# Altium PCB PCB1.PcbDoc
Units mm, origin at the board's own origin, x right, y up, seen from the top; angles counter-clockwise.
Board outline 48.39 x 44.83 mm, 2 copper layers (Top Layer, Bottom Layer); 61 components, 43 nets, 229 pads, 170 vias.
Unrouted connection lines stored in the file: 1.
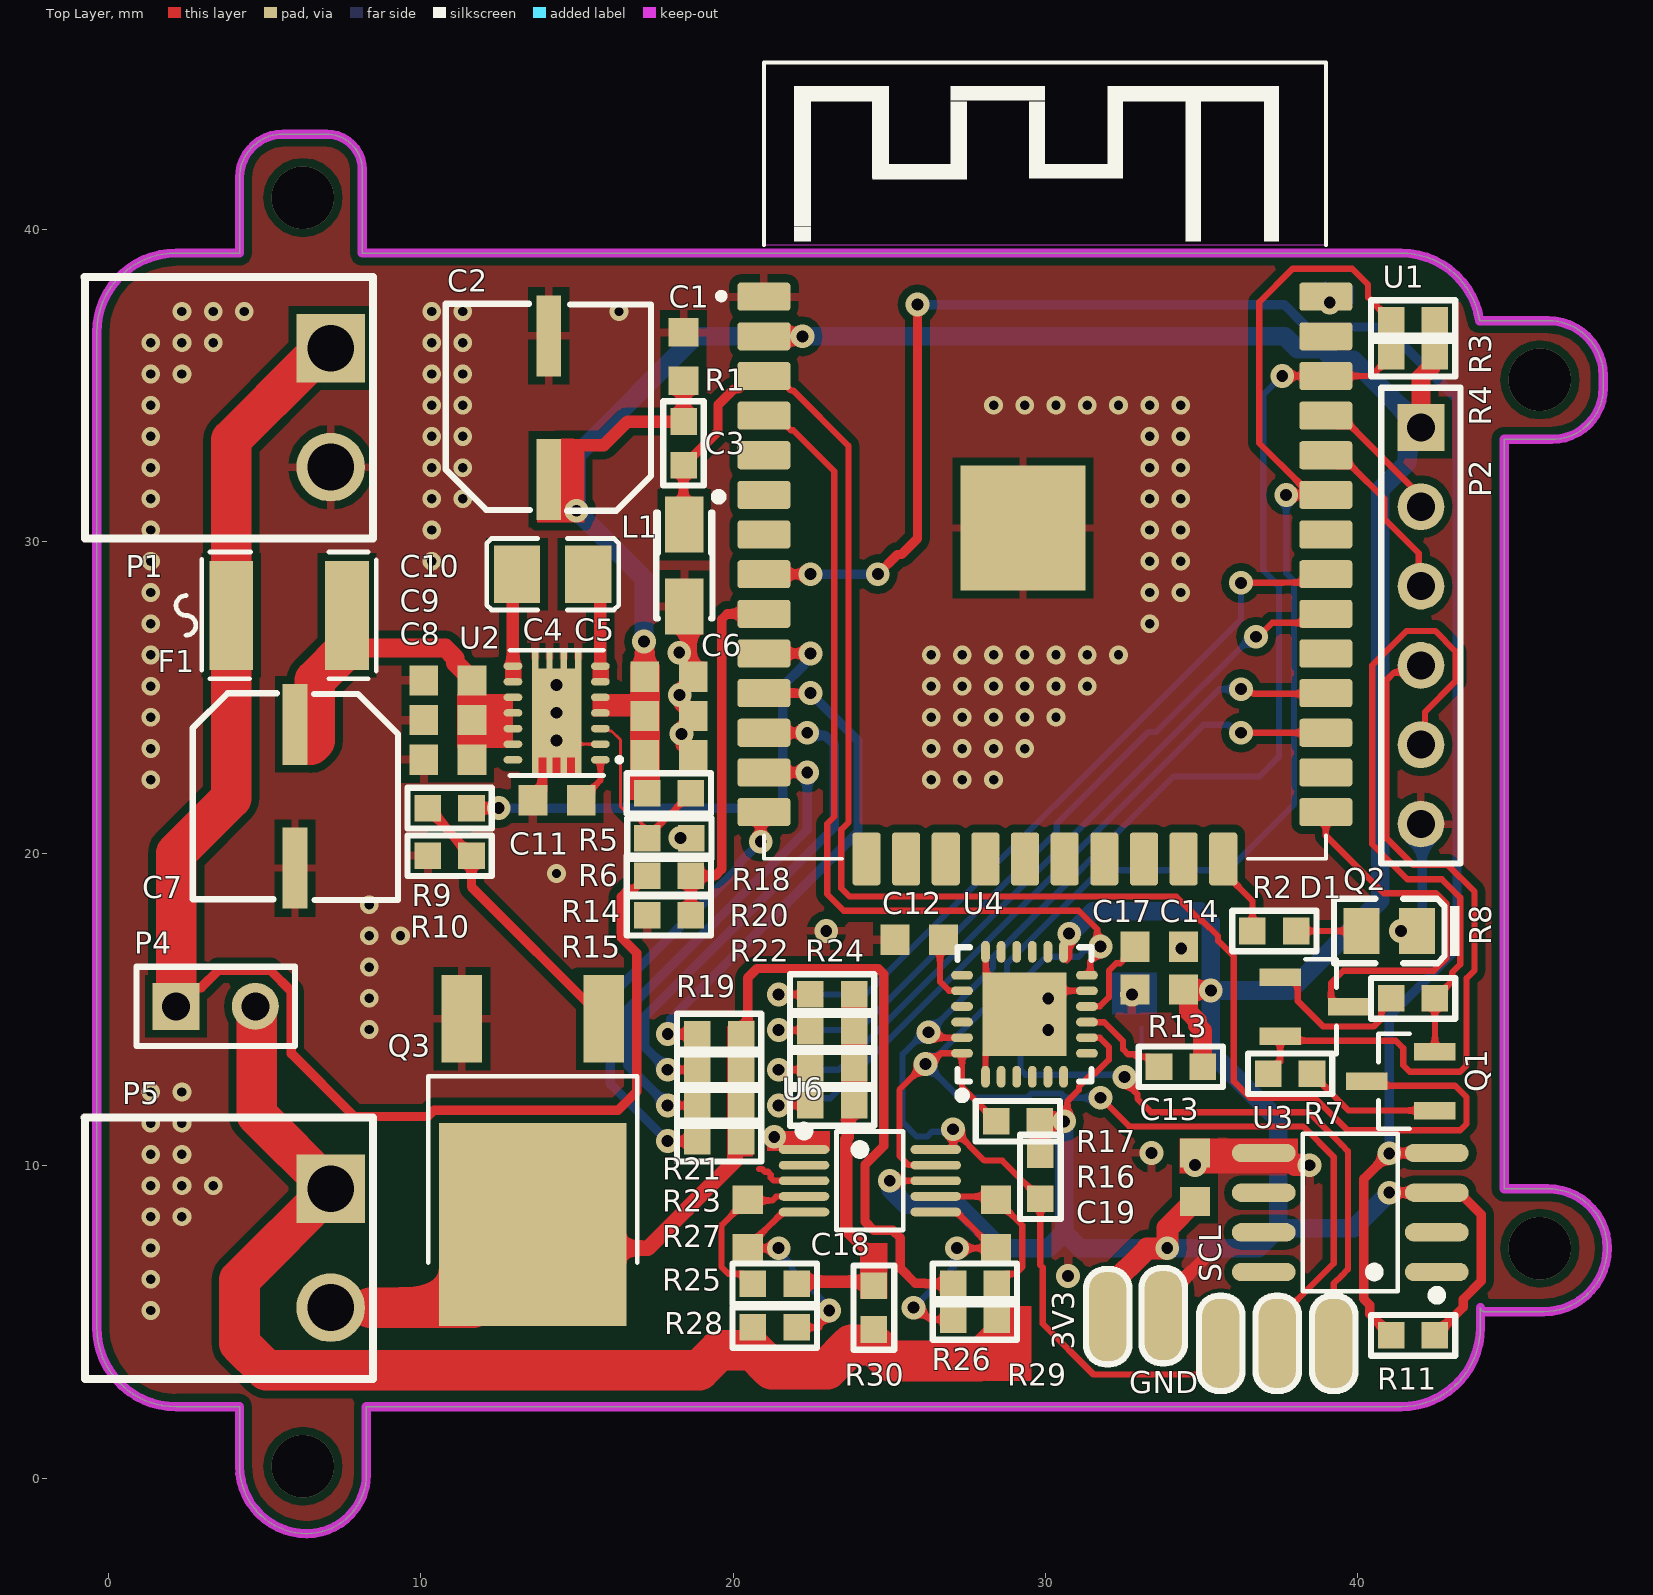
[diagram p0: Top Layer view]
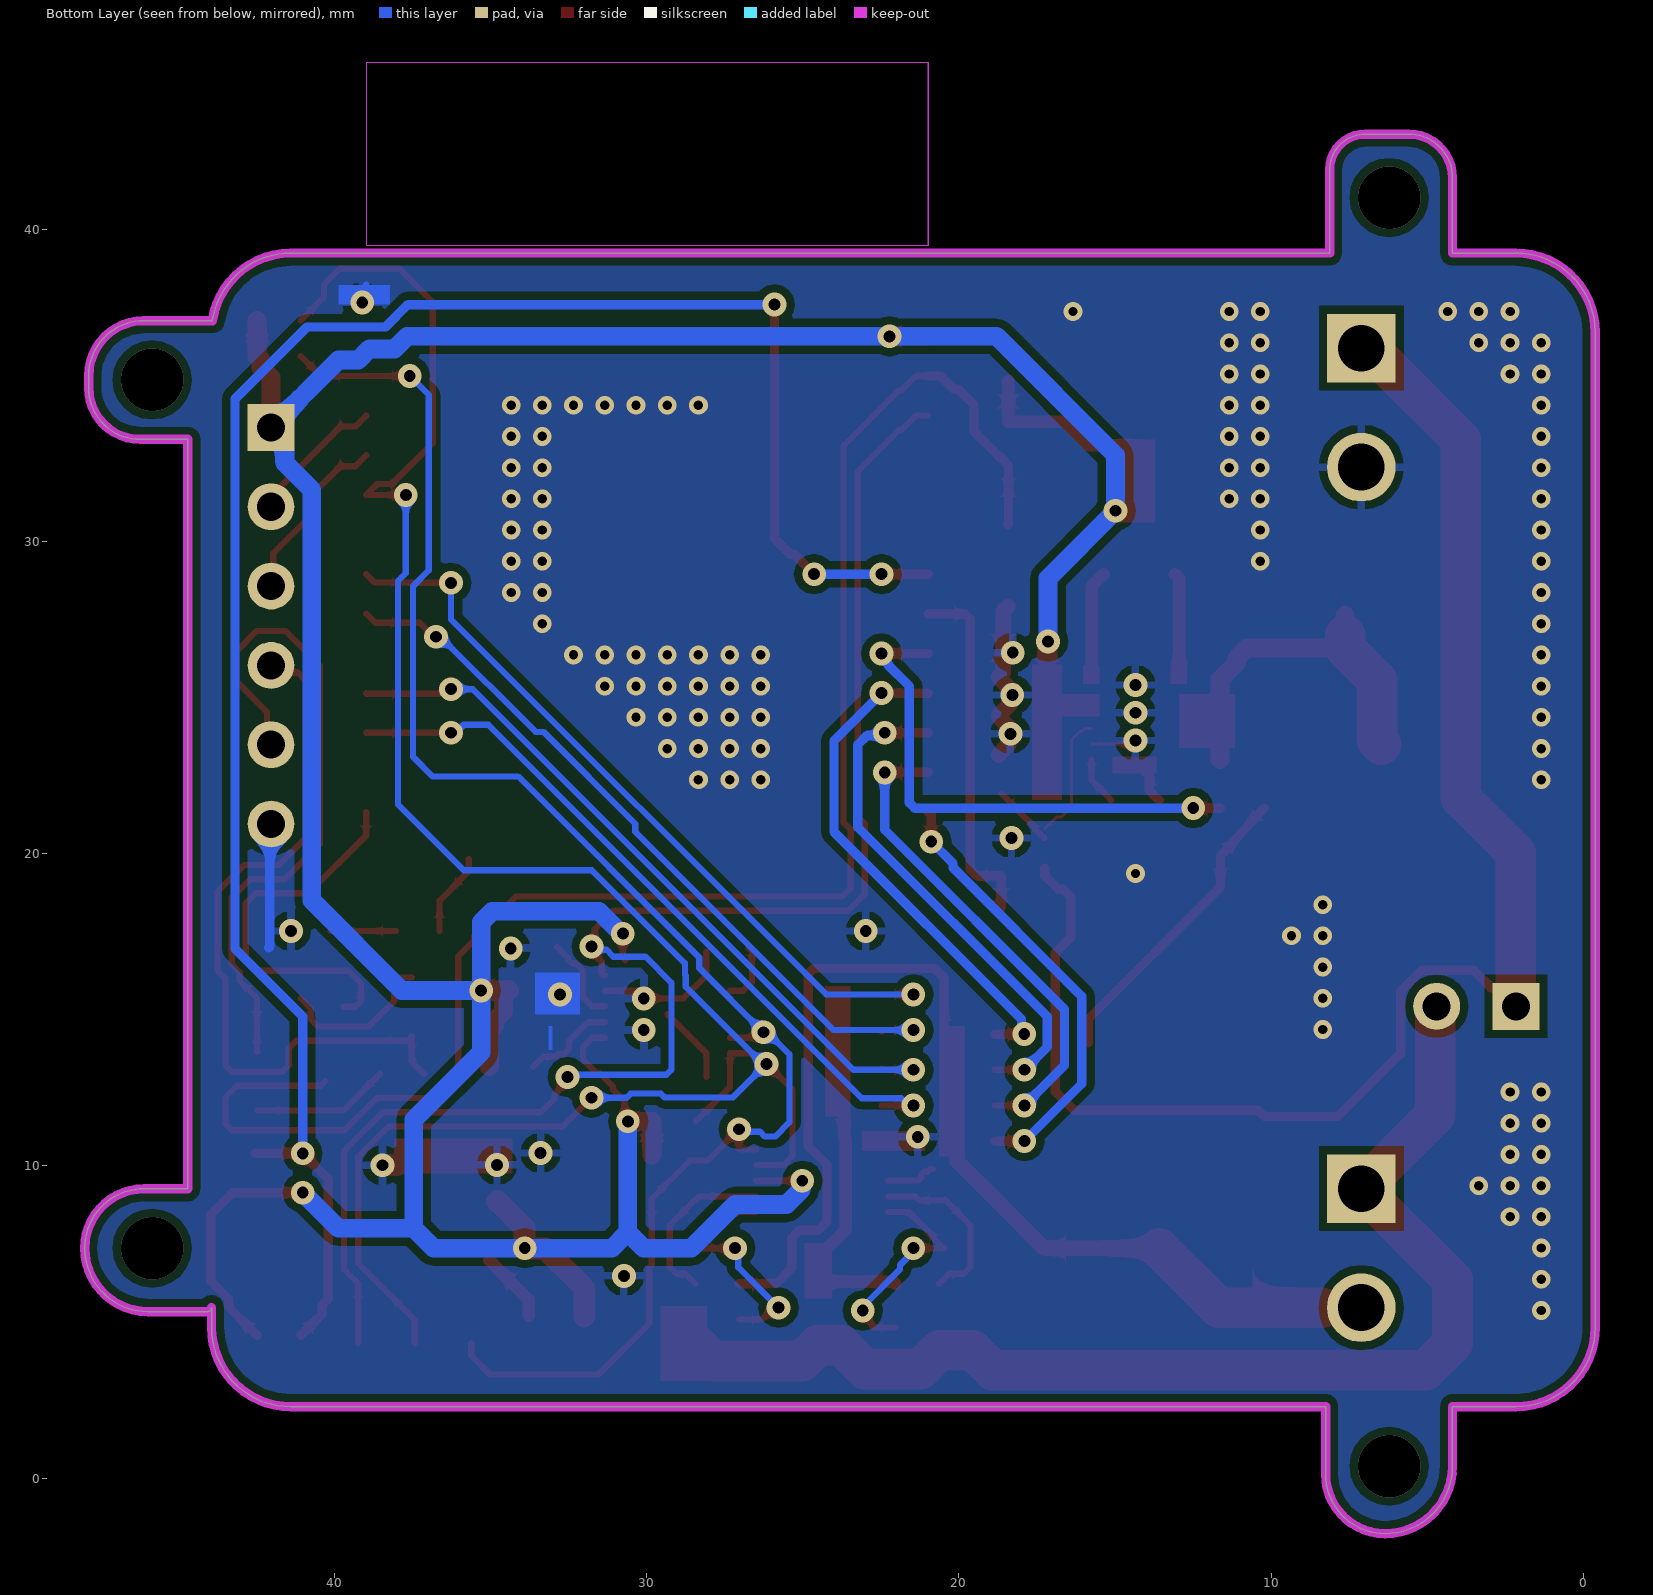
[diagram p1: Bottom Layer view, seen from below]
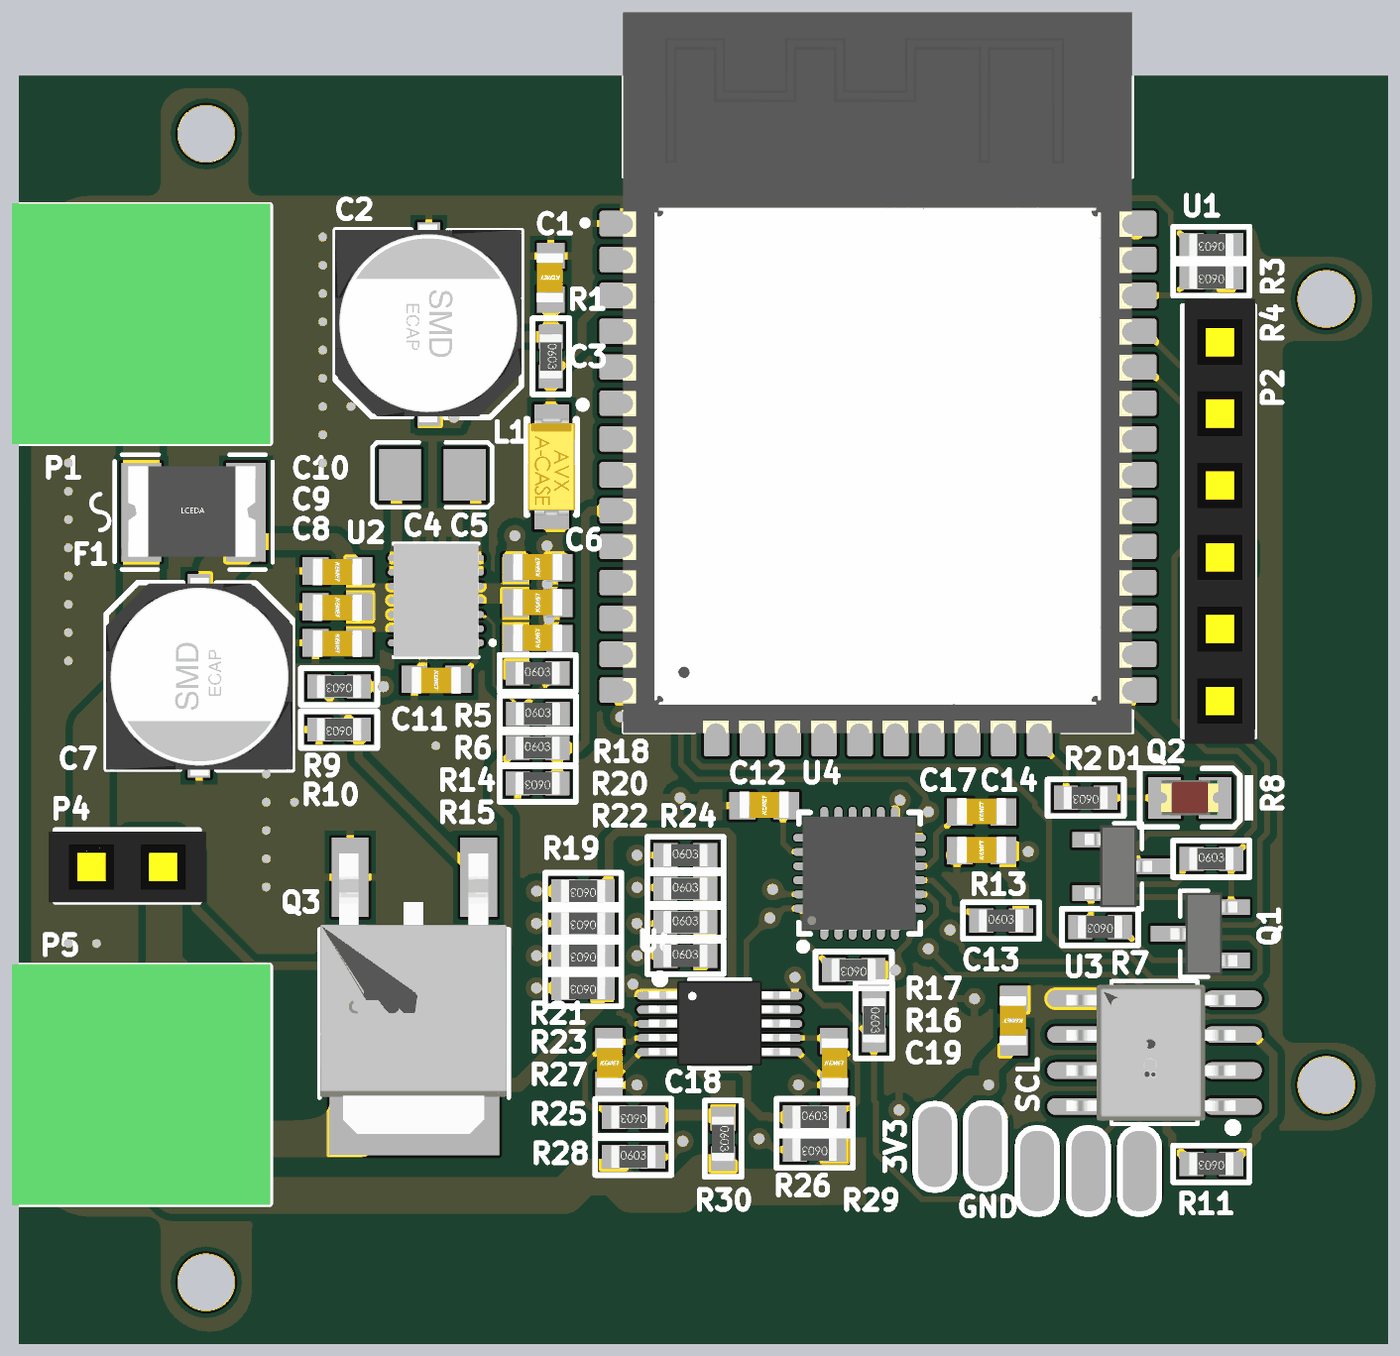
[diagram p2: 3D render of the assembled board from above, using the file's embedded part models]

## Layer stack, top to bottom
Top Solder: solder mask 0.0102, Solder Resist, Dk 3.5
Top Layer: signal copper 0.0356
Dielectric 1: dielectric 0.32, FR-4, Dk 4.8
Bottom Layer: signal copper 0.0356
Bottom Solder: solder mask 0.0102, Solder Resist, Dk 3.5

## Board outline
4.191,2.286 4.191,0.381 ccw(c6.35,0.381) 6.35,-1.778 ccw(c6.35,0.127) 8.255,0.127 8.255,2.286 41.402,2.286 ccw(c41.402,4.826) 43.942,4.826 43.942,5.461 ccw(c44.069,5.461) 44.069,5.334 45.974,5.334 ccw(c45.974,7.366) 48.006,7.366 ccw(c46.101,7.366) 46.101,9.271 44.704,9.271 44.704,33.274 46.228,33.274 ccw(c46.228,34.925) 47.879,34.925 47.879,35.306 ccw(c46.105,35.306) 46.105,37.08 43.914,37.08 ccw(c41.402,36.703) 41.402,39.243 8.128,39.243 8.128,41.91 ccw(c6.985,41.91) 6.985,43.053 5.588,43.053 ccw(c5.588,41.656) 4.191,41.656 4.191,39.243 2.159,39.243 ccw(c2.159,36.703) -0.381,36.703 -0.381,4.826 ccw(c2.159,4.826) 2.159,2.286

## Design rules (kind name [scope] priority, off if disabled: settings)
Clearance [All] p1: gap=0.254 ignorepadtopadclearanceinfootprint=FALSE except(0: Arc-Hole Track-Hole SMDPad-Hole THPad-Hole Via-Hole Fill-Hole Poly-Hole Region-Hole Text-Hole)
PolygonConnect [All] p1: connectstyle=Relief reliefconductorwidth=0.254 reliefentries=4 polygonreliefangle="90 Angle" airgapwidth=0.254
RoutingVias [All] p1: holewidth=0.711 width=1.27 viastyle="Through Hole" minholewidth=0.711 minwidth=1.27 maxholewidth=0.711 maxwidth=1.27
SolderMaskExpansion [All] p1: expansion=0.102 istentingtop=FALSE
Width [All] p1: maxlimit=3 minlimit=0.1 preferedwidth=0.254
30 further rules are at their usual default settings.

## Components (designator, comment, footprint, x,y, rotation, side; value= is the part's Value field where it differs from the comment)
C1 "100nF" CAP_0603 18.135,35.364 r90 top
C2 "22uF 63V" "CAP SMD 6.3X7.7" 14.097,34.29 r90 top
C3 "Capacitor Polarized" CAP_CERAM 18.415,29.464 r270 top
C4 "100nF" CAP_0603 17.384,25.948 r0 top
C5 "100nF" CAP_0603 17.384,24.691 r0 top
C6 "100nF" CAP_0603 17.384,23.434 r0 top
C7 "22uF 63V" "CAP SMD 6.3X7.7" 5.969,21.844 r270 top
C8 "100nF" CAP_0603 11.43,22.733 r180 top
C9 "100nF" CAP_0603 11.43,24.003 r180 top
C10 "100nF" CAP_0603 11.43,25.273 r180 top
C11 "100nF" CAP_0603 14.928,21.437 r180 top
C12 "100nF" CAP_0603 25.4,17.526 r0 top
C13 "100nF" CAP_0603 34.518,9.075 r90 top
C14 "100nF" CAP_0603 33.091,15.931 r0 top
C17 "100nF" CAP_0603 33.091,17.298 r0 top
C18 "1uF" CAP_0603 20.752,8.705 r270 top
C19 "1uF" CAP_0603 28.702,8.705 r270 top
D1 "0805 White" 0805_LED_S1 41.021,17.526 r180 top
F1 "SMD1812P050TF" SMT_FUSE 5.842,27.686 r0 top
L1 "L" IND-SMD_L2.3-W1.7-1 14.225,28.956 r0 top
P1 "WJ15EDGRC-3.81-2P" CONN-TH_2P-P3.81_WJ15EDGRC-3.81-2P 8.001,38.227 r270 top
P2 "Header 6" HDR1X6 42.037,33.655 r270 top
P4 "Heater jumper" HDR1X2 2.159,15.113 r0 top
P5 "WJ15EDGRC-3.81-2P" CONN-TH_2P-P3.81_WJ15EDGRC-3.81-2P 8.001,11.303 r270 top
Q1 "SS8049" SOT23 42.291,13.081 r90 top
Q2 "SS8049" SOT23 37.719,14.732 r270 top
Q3 "FQD13N10LTM" TO-252-2_L6.6-W6.1-P4.57-LS9.9-TL-CW 10.853,14.716 r270 top
R1 "Res1" R0603 18.415,33.147 r270 top
R2 "Res1" R0603 37.338,17.526 r180 top
R3 "" R0603 41.783,37.084 r180 top
R4 "" R0603 41.783,35.941 r180 top
R5 "" R0603 17.948,21.933 r0 top
R6 "" R0603 17.958,20.49 r0 top
R7 "Res1" R0603 37.846,12.954 r180 top
R8 "Res1" R0603 41.783,15.367 r0 top
R9 "" R0603 10.922,21.463 r180 top
R10 "" R0603 10.922,19.939 r180 top
R11 "" R0603 41.783,4.572 r180 top
R13 "" R0603 34.345,13.179 r0 top
R14 "Res1" R0603 17.948,19.291 r0 top
R15 "Res1" R0603 17.948,18.034 r180 top
R16 "" R0603 29.845,9.652 r270 top
R17 "" R0603 29.126,11.431 r180 top
R18 "" R0603 23.176,15.494 r0 top
R19 "" R0603 19.558,14.224 r180 top
R20 "" R0603 23.176,14.309 r0 top
R21 "" R0603 19.558,13.081 r180 top
R22 "" R0603 23.176,13.123 r0 top
R23 "" R0603 19.558,11.938 r180 top
R24 "" R0603 23.176,11.938 r0 top
R25 "" R0603 21.336,6.223 r180 top
R26 "" R0603 27.748,6.223 r0 top
R27 "" R0603 19.558,10.795 r180 top
R28 "" R0603 21.336,4.826 r0 top
R29 "" R0603 27.748,5.08 r180 top
R30 "" R0603 24.511,5.461 r270 top
U1 "C701341" ESP32_WROOM 29.972,31.75 r0 top locked
U2 "TPS63020" SON127P750X265-14N 14.351,24.511 r180 top
U3 "DS18B20Z" SOIC-8_L4.9-W3.9-P1.27-LS6.0-BL 41.296,5.842 r90 top
U4 "MPU-6050" QFN-24_4X4X05P 29.378,14.455 r90 top
U6 "ADS1115IDGSR" MSOP-10_L3.0-W3.0-P0.50-LS5.0-BL 23.495,11.049 r270 top

## Footprints (in the part's own frame and the unit in brackets; to place one, negate y for a bottom-side part, rotate by r counter-clockwise, add the part's x,y. Pads: shape width x height; smd on the part's side, far side on the other; paste and mask are expansions set on the pad)
0805_LED_S1 [mm]
  rect 1.16x1.47 smd: A(0.89,0) K(-0.89,0)
  silkscreen extent -2.25,-1.04 1.77,1.03, body extent -1.01,-0.62 1.01,0.62, height 1.1
"CAP SMD 6.3X7.7" [mm]
  rect 2.6x0.8 smd: 1(-2.3,0) 2(2.3,0)
  silkscreen extent -3.3,-3.28 3.33,3.3, body extent -3.47,-3.28 3.53,3.32, height 7.03
CAP_0603 [mm]
  rect 0.92x0.97 smd: 1(-0.211,-0.28) 2(1.339,-0.28)
  body extent -0.31,-0.72 1.44,0.23, height 0.87
CAP_CERAM [mm]
  rect 1.8x1.23 smd: 1(-1.081,0.025) 2(1.539,0.025)
  silkscreen extent -2.1,-0.87 1.93,1.25, body extent -1.47,-0.81 1.93,0.87, height 1.71
CONN-TH_2P-P3.81_WJ15EDGRC-3.81-2P [mm]
  rect 2.2x2.2 hole 1.5: 1(2.032,-0.889)
  round 2.2 hole 1.5: 2(5.842,-0.889)
  silkscreen extent -0.25,-8.77 8.13,0.46, body extent -0.32,-8.66 8.18,0.49, height 7.15
ESP32_WROOM [mm]
  rrect22% 1.7x0.9 smd: 0(-8.983,6.096) 1(-8.983,4.826) 2(-8.983,3.556) 3(-8.983,2.286) 4(-8.983,1.016) 5(-8.983,-0.254) 6(-8.983,-1.524) 7(-8.983,-2.794) 8(-8.983,-4.064) 9(-8.983,-5.334) 10(-8.983,-6.604) 11(-8.983,-7.874) 12(-8.983,-9.144) 13(-8.983,-10.414) 24(9.017,-10.414) 25(9.017,-9.144) 26(9.017,-7.874) 27(9.017,-6.604) 28(9.017,-5.334) 29(9.017,-4.064) 30(9.017,-2.794) 31(9.017,-1.524) 32(9.017,-0.254) 33(9.017,1.016) 34(9.017,2.286) 35(9.017,3.556) 36(9.017,4.826) 37(9.017,6.096)
  rrect22% 0.9x1.7 smd: 14(-5.698,-11.914) 15(-4.428,-11.914) 16(-3.158,-11.914) 17(-1.888,-11.914) 18(-0.618,-11.914) 19(0.652,-11.914) 20(1.922,-11.914) 21(3.192,-11.914) 22(4.462,-11.914) 23(5.732,-11.914)
  rect 4x4 smd: 38(-0.683,-1.314)
  Keep-Out Layer region: 9.017,7.747 -9.007,7.747 -9.007,13.591 9.017,13.591
  Keep-Out Layer region: 9.017,7.747 -8.995,7.747 -8.995,13.591 9.017,13.591
  Keep-Out Layer region: 9.017,7.747 -9.009,7.747 -9.009,13.591 9.017,13.591
  silkscreen extent -10.45,-11.91 9.02,13.59, body extent -9,-11.94 9,13.56, height 3.27
HDR1X2 [mm]
  rect 1.5x1.5 hole 0.9: 1(0,0)
  round 1.5 hole 0.9: 2(2.54,0)
  silkscreen extent -1.27,-1.27 3.81,1.27, body extent -1.52,-1.29 4.06,1.21, height 5.05
HDR1X6 [mm]
  rect 1.5x1.5 hole 0.9: 1(0,0)
  round 1.5 hole 0.9: 2(2.54,0) 3(5.08,0) 4(7.62,0) 5(10.16,0) 6(12.7,0)
  silkscreen extent -1.27,-1.27 13.97,1.27, body extent -1.52,-1.2 14.22,1.3, height 5.02
IND-SMD_L2.3-W1.7-1 [mm]
  rect 1.485x1.836 smd: 1(-1.142,0) 2(1.142,0)
  silkscreen extent -2.11,-1.15 2.11,1.15
MSOP-10_L3.0-W3.0-P0.50-LS5.0-BL [mm]
  oval 0.28x1.62 smd: 1(0.524,-1.221) 2(1.024,-1.221) 3(1.524,-1.221) 4(2.024,-1.221) 5(2.524,-1.221) 6(2.524,2.999) 7(2.024,2.999) 8(1.524,2.999) 9(1.024,2.999) 10(0.524,2.999)
  silkscreen extent -0.22,-1.37 3.1,1.96, body extent 0,-1.61 3,3.39, height 1.11
QFN-24_4X4X05P [mm]
  rect 2.68x2.68 smd mask+0.051: 0(0.404,0.041)
  oval 0.7x0.28 smd mask+0.051: 1(-1.596,1.291) 2(-1.596,0.791) 3(-1.596,0.291) 4(-1.596,-0.209) 5(-1.596,-0.709) 6(-1.596,-1.209) 13(2.404,-1.209) 14(2.404,-0.709) 15(2.404,-0.209) 16(2.404,0.291) 17(2.404,0.791) 18(2.404,1.291)
  oval 0.28x0.7 smd mask+0.051: 7(-0.846,-1.959) 8(-0.346,-1.959) 9(0.154,-1.959) 10(0.654,-1.959) 11(1.154,-1.959) 12(1.654,-1.959) 19(1.654,2.041) 20(1.154,2.041) 21(0.654,2.041) 22(0.154,2.041) 23(-0.346,2.041) 24(-0.846,2.041)
  silkscreen extent -2.32,-2.11 2.55,2.19, body extent -1.61,-1.96 2.41,2.06, height 0.94
R0603 [mm]
  rect 0.85x0.85 smd: 1(-0.7,0) 2(0.7,0)
  silkscreen extent -1.35,-0.65 1.35,0.65, body extent -0.8,-0.4 0.8,0.4, height 0.44
SMT_FUSE [mil]
  rect 55.38x137.76 smd: 1(-75.47,-2) 2(70.47,-2)
  silkscreen extent -145,-82 108,78, body extent -94,-64 84,62, height 43
SOIC-8_L4.9-W3.9-P1.27-LS6.0-BL [mm]
  oval 0.588x2.045 smd: 1(0.762,-1.249) 2(2.032,-1.249) 3(3.302,-1.249) 4(4.572,-1.249) 5(4.572,4.297) 6(3.302,4.297) 7(2.032,4.297) 8(0.762,4.297)
  silkscreen extent -0.13,-1.4 5.19,3.05, body extent 0.25,-1.35 5.07,4.65, height 1.73
SON127P750X265-14N [mm] "SON, 14-Leads, Body 10.30x7.50mm, Pitch 1.27mm, IPC Medium Density"
  oval 0.6x0.24 smd: 1(-1.4,1.5) 2(-1.4,1) 3(-1.4,0.5) 4(-1.4,0) 5(-1.4,-0.5) 6(-1.4,-1) 7(-1.4,-1.5) 8(1.4,-1.5) 9(1.4,-1) 10(1.4,-0.5) 11(1.4,0) 12(1.4,0.5) 13(1.4,1) 14(1.4,1.5)
  rect 1.58x2.85 smd paste-2: 15(0,0)
  rect 0.2x0.575 smd: 16(-0.69,1.713) 17(-0.23,1.713) 18(0.23,1.713) 19(0.69,1.713) 20(0.69,-1.713) 21(0.23,-1.713) 22(-0.23,-1.713) 23(-0.69,-1.713)
  silkscreen extent -2.08,-2.01 1.5,2.01, body extent -1.52,-2.03 1.5,1.99, height 1.01
SOT23 [mil]
  rect 22x52 smd: 1(-51.48,-7.53) 2(22.52,-7.53) 3(-14.48,78.47)
  silkscreen extent -74,24 46,63, body extent -72,-16 43,77, height 40
TO-252-2_L6.6-W6.1-P4.57-LS9.9-TL-CW [mm]
  rect 2.8x1.3 smd: 1(0.004,5.009) 3(0.004,0.464)
  rect 6.5x6 smd: 2(6.588,2.736)
  silkscreen extent 1.84,-0.62 7.81,6.08, body extent -0.84,-0.6 9.08,6, height 2.33
